# Altium PCB 通用工装板.PcbDoc (part 8 of 10) (continued)
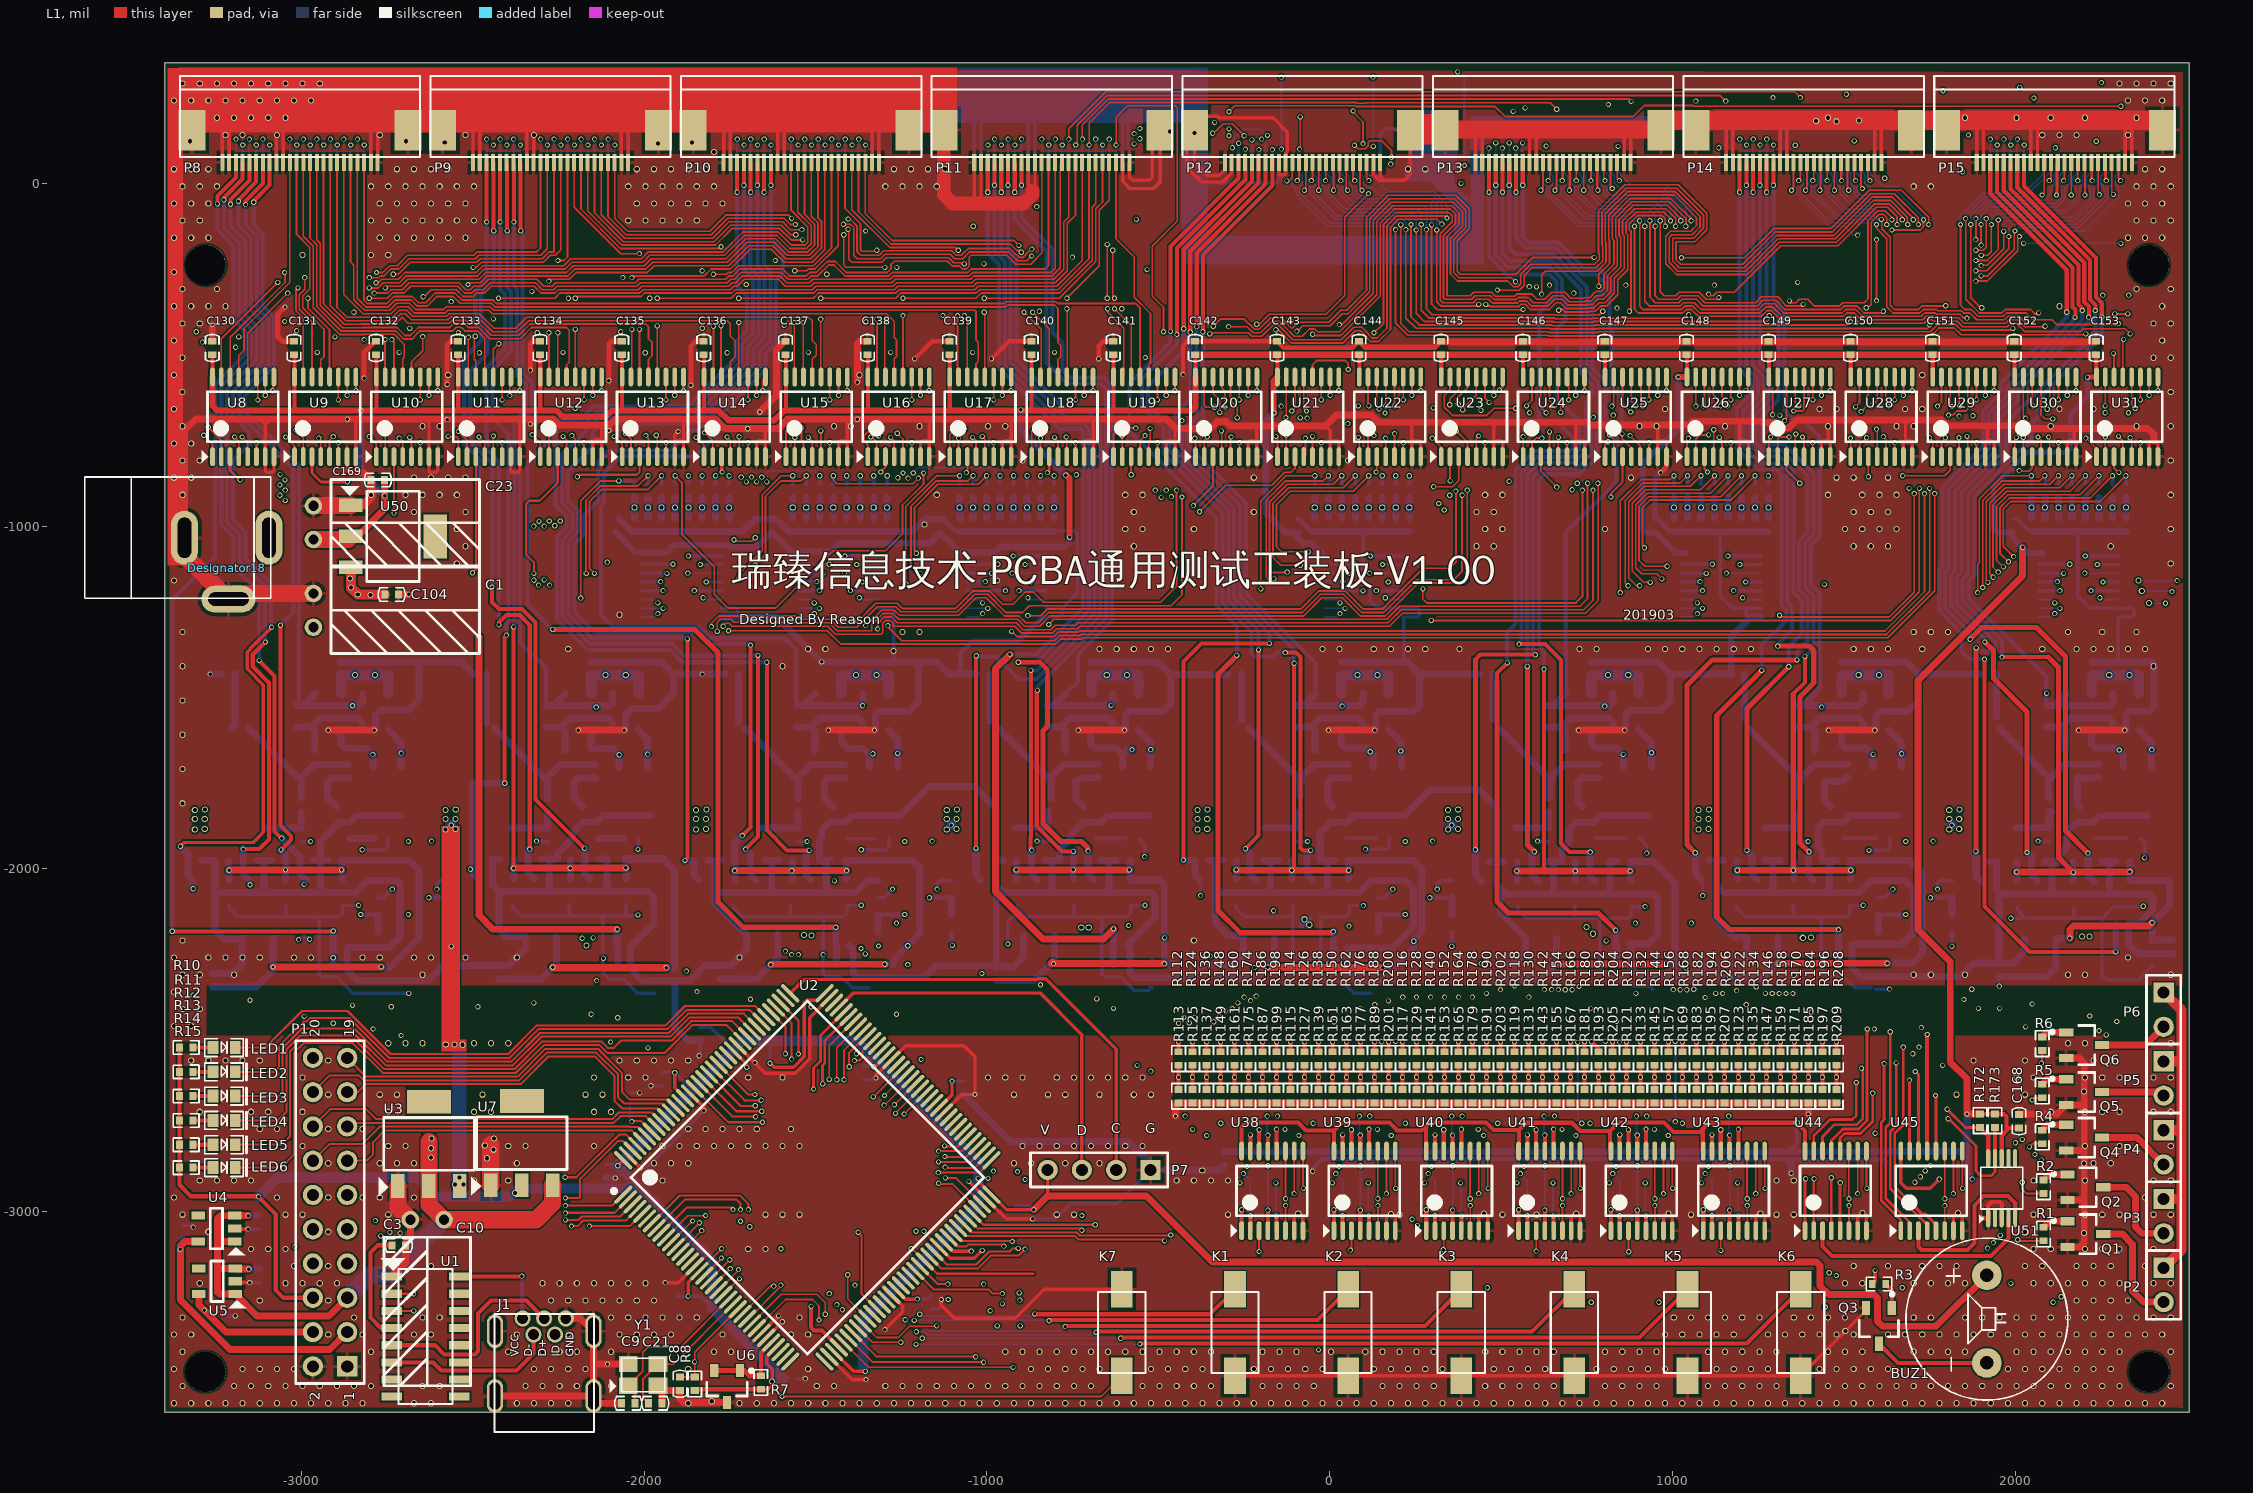
[diagram p0: L1 view]
## Nets (pads, with @x,y where several pads share a name; then routed paths per layer and width w, separated by ;. In a path a pad name is that pad's centre, name@x,y a point inside that pad or via, vN(x,y) a via of type N, cw(c..) or ccw(c..) an arc to the next point about the centre after c; other vN are vias at no path point) (continued)
  L4 w10: U84.3@-3210.99,-2106.65 -3210.99,-2114.91 -3185.84,-2140.06 -2948,-2140.06 ; -3045.64,-2139.86 U76.3@-3045.64,-2106.65 ; v1(-2833,-2106) -2833.65,-2106.65 U68.3@-2880.28,-2106.65 -2880.28,-2130.5 -2889.84,-2140.06 -2948,-2140.06 ; v1(-2823,-1944) -2757,-1944 -2748.39,-1935.39 R234.2@-2748.39,-1911.77 ; v1(-2687,-2363) -2687.44,-2362.56 U60.3@-2801.54,-2362.56 -2850.35,-2362.56 -2898.84,-2314.06 -2940.84,-2314.06 -2948,-2306.91 -2948,-2140.06
POWER_EN1: R235.2 U2.99 U61.3 U69.3 U77.3 U85.3 | length 2414.3
  L1 w6: v1(-1402,-2577) -1403,-2576 -1403,-2538 -1352.95,-2487.95 U2.99@-1348.6,-2487.95
  L2 w6: v1(-1402,-2577) -1399.5,-2574.5 -1380.58,-2574.5 -1316.5,-2510.42 v1(-1316.5,-2224.91)
  L2 w10: v1(-2018,-2134) v1(-2018,-1943)
  L3 w6: v1(-2119,-2261) -1962.28,-2261 -1950.78,-2249.5 -1848.83,-2249.5 -1821.83,-2276.5 -1686.06,-2276.5 -1661.56,-2252 -1615.44,-2252 -1601.94,-2265.5 -1387.06,-2265.5 -1383,-2261.44 -1383,-2225.8 -1373.92,-2216.72 -1329.28,-2216.72 -1321.09,-2224.91 v1(-1316.5,-2224.91)
  L4 w10: U85.3@-2384.22,-2102.72 -2384.22,-2110.98 -2359.07,-2136.13 -2121,-2136.13 ; -2218.87,-2135.92 U77.3@-2218.87,-2102.72 ; v1(-2119,-2261) v1@-2121,-2261 ; U69.3@-2053.51,-2102.72 -2053.51,-2126.57 -2063.07,-2136.13 ; v1(-2018,-2134) -2020.13,-2136.13 -2063.07,-2136.13 ; v1(-2018,-1943) -2017.8,-1942.8 R235.2@-2017.8,-1911.77 ; U61.3@-1970.83,-2362.56 -2019.64,-2362.56 -2060.2,-2322 -2102.2,-2322 -2121,-2303.2 v1@-2121,-2261 ; v1@-2121,-2261 -2121,-2136.13 ; -2121,-2136.13 -2063.07,-2136.13
POWER_EN2: R236.2 U2.111 U62.3 U70.3 U78.3 U86.3 | length 1827.8
  L1 w6: U2.111@-1601.93,-2390.51 -1550,-2442.44 v1(-1550,-2540)
  L2 w6: v1(-1550,-2540) v1(-1550,-2250) -1550,-2508
  L2 w10: v1(-1367,-2106) v1(-1367,-1944)
  L3 w6: v1(-1550,-2250) v1(-1478,-2250)
  L4 w10: U86.3@-1738.55,-2106.65 -1738.55,-2114.91 -1713.4,-2140.06 -1478,-2140.06 ; -1573.2,-2139.86 U78.3@-1573.2,-2106.65 ; v1(-1367,-2106) -1367.65,-2106.65 U70.3@-1407.84,-2106.65 -1407.84,-2130.5 -1417.4,-2140.06 -1478,-2140.06 ; v1(-1367,-1944) -1294,-1944 -1287,-1937 -1287,-1911.97 R236.2@-1287.2,-1911.77 ; U62.3@-1344.85,-2346.81 -1393.65,-2346.81 -1426.4,-2314.06 -1468.4,-2314.06 -1478,-2304.46 v1(-1478,-2250) -1478,-2140.06
POWER_EN3: R237.2 U2.112 U63.3 U71.3 U79.3 U87.3 | length 2265.3
  L1 w6: U2.112@-1615.85,-2404.43 -1570,-2450.28 v1(-1570,-2555)
  L2 w6: v1(-1570,-2555) v1(-1570,-2250)
  L2 w10: v1(-540,-1964) -540,-2105 v1(-539,-2106)
  L3 w6: v1(-1570,-2250) -1570,-2241 -1560,-2231 -1403.76,-2231 -1378.48,-2205.72 -1215.28,-2205.72 -1177.5,-2243.5 -1068.76,-2243.5 -1044.26,-2219 v1(-939,-2219)
  L4 w10: v1(-939,-2219) -939,-2153 -926.06,-2140.06 -886.63,-2140.06 ; U87.3@-911.78,-2106.65 -911.78,-2114.91 -886.63,-2140.06 ; -746.43,-2139.86 U79.3@-746.43,-2106.65 ; R237.2@-556.61,-1911.77 -540,-1928.38 v1(-540,-1964) ; v1(-539,-2106) -539.65,-2106.65 U71.3@-581.07,-2106.65 -581.07,-2130.5 -590.63,-2140.06 -664.63,-2140.06 ; U63.3@-525.95,-2354.69 -570.32,-2354.69 -610.94,-2314.06 -655.94,-2314.06 -664.63,-2305.37 -664.63,-2140.06 ; U63.3@-525.95,-2346.81 U63.3@-518.08,-2346.81 ; -886.63,-2140.06 -664.63,-2140.06
POWER_EN4: R238.2 U2.113 U64.3 U72.3 U80.3 U88.3 | length 3121.3
  L1 w6: U2.113@-1629.77,-2418.35 -1588.1,-2460.02 v1(-1588.1,-2539.1)
  L2 w6: v1(-1588.1,-2539.1) v1(-1588.1,-2239.81)
  L2 w10: v1(98,-2107) 104,-2101 v1(104,-1942)
  L3 w6: v1(-1588.1,-2239.81) -1588,-2239.72 -1588,-2233 -1575,-2220 -1408.32,-2220 -1383.03,-2194.72 -1210.73,-2194.72 -1197.94,-2207.5 -1051.5,-2207.5 -1047.5,-2203.5 -887.78,-2203.5 -877.28,-2193 -617,-2193 -608,-2184 -608,-2159 -594.5,-2145.5 -510.65,-2145.5 -487.15,-2122 v1(-164,-2122)
  L4 w10: U88.3@-273.98,-2106.65 -273.98,-2114.91 -248.83,-2140.06 -164,-2140.06 ; v1(-164,-2122) -164,-2140.06 ; U80.3@-108.63,-2106.65 -108.63,-2140.06 ; v1(98,-2107) 97.65,-2106.65 U72.3@56.72,-2106.65 56.72,-2130.5 47.17,-2140.06 -26.83,-2140.06 -26.83,-2262 ; v1(104,-1942) 167,-1942 173.99,-1935.01 R238.2@173.99,-1911.77 ; U64.3@119.72,-2362.56 70.56,-2362.56 35,-2327 -10,-2327 -26.83,-2310.17 -26.83,-2262 ; -164,-2140.06 -108.63,-2140.06 ; -108.63,-2140.06 -108.63,-2241.37 -88,-2262 -26.83,-2262
POWER_EN5: R239.2 U2.7 U65.3 U73.3 U81.3 U89.3 | length 6820.4
  L1 w6: U2.7@-1977.76,-3033.59 -1897.17,-2953 -1720,-2953 -1696,-2977 v1(-1696,-2994)
  L2 w6: v1(-1696,-2994) -1692,-2998 v1(-1692,-3044) ; v1(1850,-2381) 1850,-2406.56 1919,-2475.56 v1(1919,-3106)
  L2 w10: v1(920,-2110) 925,-2105 v1(925,-1954)
  L3 w6: v1(-1692,-3044) -1687,-3049 -1386.92,-3049 -1379.42,-3041.5 -932.5,-3041.5 -873.5,-3100.5 -445,-3100.5 -440,-3095.5 1908.5,-3095.5 v1(1919,-3106) ; v1(920,-2110) 1030,-2110 1163.51,-2243.51 1248.49,-2243.51 1348.98,-2344 1414.15,-2344 1442.15,-2372 1515.78,-2372 1524.78,-2381 v1(1850,-2381)
  L4 w10: U89.3@548.85,-2110.59 548.85,-2118.85 574,-2144 788,-2144 ; 714.2,-2143.8 U81.3@714.2,-2110.59 ; R239.2@904.59,-1911.77 925,-1932.18 v1(925,-1954) ; v1(920,-2110) 919.41,-2110.59 U73.3@879.56,-2110.59 879.56,-2134.44 870,-2144 788,-2144 ; U65.3@942.55,-2350.75 934.8,-2343 886,-2343 861,-2318 819,-2318 788,-2287 788,-2144
POWER_EN6: R240.2 U2.8 U66.3 U74.3 U82.3 U90.3 | length 6128.6
  L1 w6: U2.8@-1963.84,-3047.51 -1880.33,-2964 -1732,-2964 -1719,-2977 v1(-1719,-2994)
  L2 w6: v1(-1719,-3028) v1(-1719,-2994) ; v1(1873,-2351) 1873,-2414 1936,-2477 v1(1936,-3090)
  L2 w10: v1(1556,-2106) 1573,-2089 v1(1573,-1946)
  L3 w6: v1(-1719,-3028) -1681,-3028 -1671,-3038 -1391.48,-3038 -1383.98,-3030.5 -927.94,-3030.5 -868.94,-3089.5 -508.42,-3089.5 -471.42,-3052.5 -447,-3052.5 -415,-3084.5 1930.5,-3084.5 v1(1936,-3090) ; v1(1633.25,-2350.75) 1758.75,-2350.75 1759,-2351 v1(1873,-2351)
  L4 w10: U90.3@1186.65,-2106.65 1186.65,-2114.91 1211.8,-2140.06 1433.8,-2140.06 ; 1352,-2139.86 U82.3@1352,-2106.65 ; v1(1556,-2106) 1555.35,-2106.65 U74.3@1517.35,-2106.65 1517.35,-2130.5 1507.8,-2140.06 1433.8,-2140.06 ; v1(1573,-1946) 1628,-1946 1635.18,-1938.82 R240.2@1635.18,-1911.77 ; U66.3@1580.35,-2346.81 1531.54,-2346.81 1498.8,-2314.06 1456.8,-2314.06 1433.8,-2291.06 1433.8,-2140.06 ; U66.3@1592.16,-2350.75 v1(1633.25,-2350.75)
POWER_EN7: R241.2 U2.9 U67.3 U75.3 U83.3 U91.3 | length 5963.6
  L1 w6: U2.9@-1949.92,-3061.43 -1876.49,-2988 -1743,-2988 -1741,-2990 v1(-1741,-2994)
  L2 w6: v1(1956,-3069) 1956,-2529 1974.5,-2510.5 1974.5,-2451.65 1987,-2439.15 v1(1987,-2144)
  L2 w10: v1(2373,-2109) 2372,-2109 2377,-2104 v1(2377,-1968)
  L3 w6: v1(-1741,-2994) -1725,-3010 -1681,-3010 -1664,-3027 -1562,-3027 -1396.03,-3027 -1388.53,-3019.5 -923.39,-3019.5 -864.39,-3078.5 -512.98,-3078.5 -475.98,-3041.5 -442.44,-3041.5 -414.94,-3069 v1(1956,-3069)
  L4 w10: v1(1987,-2144) 2030.69,-2144 ; U91.3@2005.54,-2110.59 2005.54,-2118.85 2030.69,-2144 ; 2170.9,-2143.8 U83.3@2170.9,-2110.59 ; R241.2@2365.78,-1911.77 2377,-1922.99 v1(2377,-1968) ; v1(2373,-2109) 2371.41,-2110.59 U75.3@2336.25,-2110.59 2286.1,-2110.59 2252.69,-2144 ; U67.3@2399.24,-2283.82 2359.06,-2324 2268,-2324 2252.69,-2308.69 2252.69,-2144 ; 2030.69,-2144 2252.69,-2144
S1V8: U2.18 U38.3 | length 1714.6
  L1 w5: U2.18@-1824.64,-3186.7 -1775,-3137.06 v1(-1775,-3135) ; U38.3@-206.17,-3055.47 -206.17,-3115.83 v1(-206,-3116)
  L3 w5: v1(-1775,-3135) -1765,-3135 -1765,-3133.79 -1756.21,-3125 -1743.79,-3125 -1738.79,-3130 -220,-3130 v1(-206,-3116)
S1V8_0: R112.2 R113.1 U38.13 | length 533.5
  L1 w12: R113.1@-441,-2642.96 v1(-441,-2607.82) R112.2@-441,-2572.69 ; U38.13@-180.58,-2823.19 v1(-180.58,-2776.58)
  L2 w5: v1(-441,-2607.82) -422,-2626.82 v1(-422,-2721)
  L3 w5: v1(-422,-2721) v1(-183,-2721)
  L4 w5: v1(-183,-2721) -183,-2774.17 v1(-180.58,-2776.58)
S1V8_1: R124.2 R125.1 U38.14 | length 477.9
  L1 w12: R125.1@-400.17,-2642.96 v1(-400.17,-2607.82) R124.2@-400.17,-2572.69 ; U38.14@-206.17,-2823.19 v1(-206.17,-2760.83)
  L2 w5: v1(-400.17,-2607.82) -400.17,-2759.83 v1(-400,-2760)
  L3 w5: v1(-400,-2760) v1@-207,-2760
S1V8_2: R136.2 R137.1 U38.15 | length 415.9
  L1 w12: R137.1@-359.34,-2642.96 v1(-359.34,-2607.82) R136.2@-359.34,-2572.69 ; U38.15@-231.77,-2823.19 v1(-231.77,-2775.77)
  L2 w5: v1(-359.34,-2777.66) v1(-359.34,-2607.82)
  L3 w5: v1(-359.34,-2777.66) -233.66,-2777.66 v1(-231.77,-2775.77)
S1V8_3: R148.2 R149.1 U38.12 | length 438.9
  L1 w12: R149.1@-318.51,-2642.96 v1(-318.51,-2607.82) R148.2@-318.51,-2572.69 ; U38.12@-154.99,-2823.19 v1(-154.99,-2759.01)
  L2 w5: v1(-318.51,-2607.82) -318.51,-2741.49 v1(-318,-2742)
  L3 w5: v1(-318,-2742) -172,-2742 v1(-154.99,-2759.01)
S1V8_4: R160.2 R161.1 U38.1 | length 526.3
  L1 w12: R161.1@-277.68,-2642.96 v1(-277.68,-2607.82) R160.2@-277.68,-2572.69 ; U38.1@-257.36,-3055.47 v1(-257.36,-2994.36)
  L2 w5: v1(-277.68,-2607.82) -277.68,-2974.03 v1(-257.36,-2994.36)
S1V8_5: R174.2 R175.1 U38.5 | length 636
  L1 w12: R175.1@-236.85,-2642.96 v1(-236.85,-2607.82) R174.2@-236.85,-2572.69 ; U38.5@-154.99,-3055.47 v1(-154.99,-3012.01)
  L2 w5: v1(-262,-2916) -267.68,-2910.32 -267.68,-2638.65 v1(-236.85,-2607.82)
  L3 w5: v1(-262,-2916) v1(-157,-2916)
  L4 w5: v1@-157,-3010 v1(-157,-2916)
S1V8_6: R186.2 R187.1 U38.2 | length 554.2
  L1 w12: U38.2@-231.77,-3055.47 v1(-231.77,-3011.77) ; R187.1@-196.02,-2642.96 v1(-196.02,-2607.82) R186.2@-196.02,-2572.69
  L2 w5: v1(-252,-2889) -257.68,-2883.32 -257.68,-2669.48 v1(-196.02,-2607.82)
  L4 w5: v1(-252,-2889) -231.77,-2909.23 v1(-231.77,-3011.77)
S1V8_7: R198.2 R199.1 U38.4 | length 627
  L1 w12: U38.4@-180.58,-3055.47 v1(-180.58,-2995.42) ; R199.1@-155.19,-2642.96 v1(-155.19,-2607.82) R198.2@-155.19,-2572.69
  L2 w5: v1(-242,-2868) -247.68,-2868 -247.68,-2700.31 v1(-155.19,-2607.82)
  L3 w5: v1(-242,-2868) -182,-2868 v1(-180,-2866)
  L4 w5: v1(-180.58,-2995.42) -180,-2994.83 v1(-180,-2866)
S2V5: U2.19 U39.3 | length 1965.3
  L1 w5: U2.19@-1810.72,-3200.62 -1750.1,-3140 v1(-1750,-3140) ; v1(60,-3112) 63.2,-3108.8 U39.3@63.2,-3055.47
  L3 w5: v1(-1750,-3140) 32,-3140 v1(60,-3112)
S2V5_0: R114.2 R115.1 U39.13 | length 541.5
  L1 w12: R115.1@-114.36,-2642.96 v1(-114.36,-2607.82) R114.2@-114.36,-2572.69 ; U39.13@88.79,-2823.19 v1(88.79,-2776.58)
  L2 w5: v1(-152.63,-2721) -152.63,-2646.09 v1(-114.36,-2607.82)
  L3 w5: v1(-152.63,-2721) v1(86.37,-2721)
  L4 w5: v1(86.37,-2721) 86.37,-2774.17 v1(88.79,-2776.58)
S2V5_1: R126.2 R127.1 U39.14 | length 501.7
  L1 w12: R127.1@-73.53,-2642.96 v1(-73.53,-2607.82) R126.2@-73.53,-2572.69 ; U39.14@63.2,-2823.19 v1(63.2,-2760.83)
  L2 w5: v1@-130.8,-2759.83 v1(-130.63,-2760) -130.63,-2664.92 v1(-73.53,-2607.82)
  L3 w5: v1(-130.63,-2760) v1@62.37,-2760
S2V5_2: R138.2 R139.1 U39.15 | length 439.6
  L1 w12: R139.1@-32.7,-2642.96 v1(-32.7,-2607.82) R138.2@-32.7,-2572.69 ; U39.15@37.61,-2823.19 v1(37.61,-2775.77)
  L2 w5: v1(-89.97,-2777.66) -89.97,-2665.09 v1(-32.7,-2607.82)
  L3 w5: v1(-89.97,-2777.66) 35.71,-2777.66 v1(37.61,-2775.77)
S2V5_3: R150.2 R151.1 U39.12 | length 462.9
  L1 w12: R151.1@8.13,-2642.96 v1(8.13,-2607.82) R150.2@8.13,-2572.69 ; U39.12@114.38,-2823.19 v1(114.38,-2759.01)
  L2 w5: v1@-49.14,-2741.49 v1(-48.63,-2742) -48.63,-2664.58 v1(8.13,-2607.82)
  L3 w5: v1(-48.63,-2742) 97.37,-2742 v1(114.38,-2759.01)
S2V5_4: R162.2 R163.1 U39.1 | length 562.2
  L1 w12: U39.1@12.02,-3055.47 v1(12.02,-2994.36) ; R163.1@48.96,-2642.96 v1(48.96,-2607.82) R162.2@48.96,-2572.69
  L2 w5: v1(12.02,-2994.36) -23,-2959.34 -23,-2679.78 v1(48.96,-2607.82)
S2V5_5: R176.2 R177.1 U39.5 | length 671.9
  L1 w12: R177.1@89.79,-2642.96 v1(89.79,-2607.82) R176.2@89.79,-2572.69 ; U39.5@114.38,-3055.47 v1(114.38,-3012.01)
  L2 w5: v1(7.37,-2916) -13,-2895.63 -13,-2710.61 v1(89.79,-2607.82)
  L3 w5: v1(7.37,-2916) v1(112.37,-2916)
  L4 w5: v1@112.37,-3010 v1(112.37,-2916)
S2V5_6: R188.2 R189.1 U39.2 | length 590.1
  L1 w12: U39.2@37.61,-3055.47 v1(37.61,-3011.77) ; R189.1@130.62,-2642.96 v1(130.62,-2607.82) R188.2@130.62,-2572.69
  L2 w5: v1(17.37,-2889) -3,-2868.63 -3,-2741.44 v1(130.62,-2607.82)
  L4 w5: v1(17.37,-2889) 37.61,-2909.23 v1(37.61,-3011.77)
S2V5_7: R200.2 R201.1 U39.4 | length 680.9
  L1 w12: U39.4@88.79,-3055.47 v1(88.79,-2995.42) ; R201.1@171.45,-2642.96 v1(171.45,-2607.82) R200.2@171.45,-2572.69
  L2 w5: v1@21.69,-2868 v1(27.37,-2868) 7,-2847.63 7,-2745.58 120.58,-2632 147.27,-2632 v1(171.45,-2607.82)
  L3 w5: v1(27.37,-2868) 87.37,-2868 v1(89.37,-2866)
  L4 w5: v1(88.79,-2995.42) 89.37,-2994.83 v1(89.37,-2866)
S3V0: U2.20 U40.3 | length 2227.6
  L1 w5: U2.20@-1796.81,-3214.54 -1749,-3166.73 v1(-1749,-3166) ; v1(331,-3111) 332.57,-3109.43 U40.3@332.57,-3055.47
  L3 w5: v1(-1749,-3166) -1737,-3154 289,-3154 v1@331.5,-3111.5
S3V0_0: R116.2 R117.1 U40.13 | length 565.2
  L1 w12: R117.1@212.28,-2642.96 v1(212.28,-2607.82) R116.2@212.28,-2572.69 ; U40.13@358.16,-2823.19 v1(358.16,-2776.58)
  L2 w5: v1(116.75,-2721) 212.28,-2625.47 v1(212.28,-2607.82)
  L3 w5: v1(116.75,-2721) v1(355.75,-2721)
  L4 w5: v1(355.75,-2721) 355.75,-2774.17 v1(358.16,-2776.58)
S3V0_1: R128.2 R129.1 U40.14 | length 525.4
  L1 w12: R129.1@253.1,-2642.96 v1(253.1,-2607.82) R128.2@253.1,-2572.69 ; U40.14@332.57,-2823.19 v1(332.57,-2760.83)
  L2 w5: v1@138.58,-2759.83 v1(138.75,-2760) 138.75,-2722.18 v1(253.1,-2607.82)
  L3 w5: v1(138.75,-2760) v1@331.75,-2760
S3V0_2: R140.2 R141.1 U40.15 | length 472.6
  L1 w12: R141.1@293.93,-2642.96 v1(293.93,-2607.82) R140.2@293.93,-2572.69 ; U40.15@306.98,-2823.19 v1(306.98,-2775.77)
  L2 w5: v1(179.41,-2777.66) 179.41,-2706.59 278.18,-2607.82 v1(293.93,-2607.82)
  L3 w5: v1(179.41,-2777.66) 305.09,-2777.66 v1(306.98,-2775.77)
S3V0_3: R152.2 R153.1 U40.12 | length 505.7
  L1 w12: R153.1@334.76,-2642.96 v1(334.76,-2607.82) R152.2@334.76,-2572.69 ; U40.12@383.75,-2823.19 v1(383.75,-2759.01)
  L2 w5: v1@220.24,-2741.49 v1(220.75,-2742) 220.75,-2689.25 287.18,-2622.82 319.76,-2622.82 v1(334.76,-2607.82)
  L3 w5: v1(220.75,-2742) 366.75,-2742 v1(383.75,-2759.01)
S3V0_4: R164.2 R165.1 U40.1 | length 591.4
  L1 w12: U40.1@281.39,-3055.47 v1(281.39,-2994.36) ; R165.1@375.59,-2642.96 v1(375.59,-2607.82) R164.2@375.59,-2572.69
  L2 w5: v1(281.39,-2994.36) 261.07,-2974.03 261.07,-2713.93 315,-2660 345,-2660 375.59,-2629.41 v1(375.59,-2607.82)
S3V0_5: R178.2 R179.1 U40.5 | length 703.4
  L1 w12: U40.5@383.75,-3055.47 v1(383.75,-3012.01) ; R179.1@416.42,-2642.96 v1(416.42,-2607.82) R178.2@416.42,-2572.69
  L2 w5: v1(276.75,-2916) 271.07,-2910.32 271.07,-2732.93 332,-2672 366,-2672 416.42,-2621.58 v1(416.42,-2607.82)
  L3 w5: v1(276.75,-2916) v1(381.75,-2916)
  L4 w5: v1@381.75,-3010 v1(381.75,-2916)
S3V0_6: R190.2 R191.1 U40.2 | length 625.1
  L1 w12: U40.2@306.98,-3055.47 v1(306.98,-3011.77) ; R191.1@457.25,-2642.96 v1(457.25,-2607.82) R190.2@457.25,-2572.69
  L2 w5: v1(286.75,-2889) 281.07,-2883.32 281.07,-2743.93 339.92,-2685.08 380,-2685.08 v1(457.25,-2607.82)
  L4 w5: v1(286.75,-2889) 306.98,-2909.23 v1(306.98,-3011.77)
S3V0_7: R202.2 R203.1 U40.4 | length 708.3
  L1 w12: U40.4@358.16,-3055.47 v1(358.16,-2995.42) ; R203.1@498.08,-2642.96 v1(498.08,-2607.82) R202.2@498.08,-2572.69
  L2 w5: v1@291.07,-2868 v1(296.75,-2868) 291.07,-2862.32 291.07,-2761 350.07,-2702 384.29,-2702 478.47,-2607.82 v1(498.08,-2607.82)
  L3 w5: v1(296.75,-2868) 356.75,-2868 v1(358.75,-2866)
  L4 w5: v1(358.16,-2995.42) 358.75,-2994.83 v1(358.75,-2866)
S3V3: U2.21 U41.3 | length 2492.4
  L1 w5: U2.21@-1782.89,-3228.46 -1725,-3170.57 v1(-1725,-3169) ; U41.3@601.95,-3055.47 601.95,-3114.95 v1(602,-3115)
  L3 w5: v1(-1725,-3169) 548,-3169 v1(602,-3115)
S3V3_0: R118.2 R119.1 U41.13 | length 612.1
  L1 w12: R119.1@538.91,-2642.96 v1(538.91,-2607.82) R118.2@538.91,-2572.69 ; U41.13@627.54,-2823.19 v1(627.54,-2776.58)
  L2 w5: v1(386.12,-2721) 484.12,-2623 507,-2623 522.18,-2607.82 v1(538.91,-2607.82)
  L3 w5: v1(386.12,-2721) v1(625.12,-2721)
  L4 w5: v1(625.12,-2721) 625.12,-2774.17 v1(627.54,-2776.58)
S3V3_1: R130.2 R131.1 U41.14 | length 540
  L1 w12: R131.1@579.74,-2642.96 v1(579.74,-2607.82) R130.2@579.74,-2572.69 ; U41.14@601.95,-2823.19 v1(601.95,-2760.83)
  L2 w5: v1(433,-2760) 433,-2709.72 499.72,-2643 544.57,-2643 v1(579.74,-2607.82)
  L3 w5: v1(433,-2760) v1@601.12,-2760
S3V3_2: R142.2 R143.1 U41.15 | length 529
  L1 w12: U41.15@576.36,-2823.19 v1(576.36,-2775.77) ; R143.1@620.57,-2642.96 v1(620.57,-2607.82) R142.2@620.57,-2572.69
  L2 w5: v1(448.78,-2777.66) 448.78,-2708.08 503.86,-2653 575.4,-2653 v1(620.57,-2607.82)
  L3 w5: v1(448.78,-2777.66) 574.46,-2777.66 v1(576.36,-2775.77)
S3V3_3: R154.2 R155.1 U41.12 | length 567.9
  L1 w12: U41.12@653.13,-2823.19 v1(653.13,-2759.01) ; R155.1@661.4,-2642.96 v1(661.4,-2607.82) R154.2@661.4,-2572.69
  L2 w5: v1@489.61,-2741.49 v1(490.12,-2742) 490.12,-2680.88 508,-2663 606.22,-2663 v1(661.4,-2607.82)
  L3 w5: v1(490.12,-2742) 636.12,-2742 v1(653.13,-2759.01)
S3V3_4: R166.2 R167.1 U41.1 | length 682.3
  L1 w12: U41.1@550.77,-3055.47 v1(550.77,-2994.36) ; R167.1@702.23,-2642.96 v1(702.23,-2607.82) R166.2@702.23,-2572.69
  L2 w5: v1(550.77,-2994.36) 508,-2951.59 508,-2689 524,-2673 637.05,-2673 v1(702.23,-2607.82)
S3V3_5: R180.2 R181.1 U41.5 | length 807.7
  L1 w12: U41.5@653.13,-3055.47 v1(653.13,-3012.01) ; R181.1@743.06,-2642.96 v1(743.06,-2607.82) R180.2@743.06,-2572.69
  L2 w5: v1(546.12,-2916) 518,-2887.88 518,-2693.14 528.14,-2683 667.88,-2683 v1(743.06,-2607.82)
  L3 w5: v1(546.12,-2916) v1(651.12,-2916)
  L4 w5: v1@651.12,-3010 v1(651.12,-2916)
S3V3_6: R192.2 R193.1 U41.2 | length 741.4
  L1 w12: U41.2@576.36,-3055.47 v1(576.36,-3011.77) ; R193.1@783.89,-2642.96 v1(783.89,-2607.82) R192.2@783.89,-2572.69
  L2 w5: v1(556.12,-2889) 528,-2860.88 528,-2697.28 532.28,-2693 679.1,-2693 764.27,-2607.82 v1(783.89,-2607.82)
  L4 w5: v1(556.12,-2889) 576.36,-2909.23 v1(576.36,-3011.77)
S3V3_7: R204.2 R205.1 U41.4 | length 826.3
  L1 w12: U41.4@627.54,-3055.47 v1(627.54,-2995.42) ; R205.1@824.72,-2642.96 v1(824.72,-2607.82) R204.2@824.72,-2572.69
  L2 w5: v1(566.12,-2868) 563,-2868 538,-2843 538,-2705 540,-2703 683.24,-2703 754.24,-2632 800.54,-2632 v1(824.72,-2607.82)
  L3 w5: v1(566.12,-2868) 626.12,-2868 v1(628.12,-2866)
  L4 w5: v1(627.54,-2995.42) 628.12,-2994.83 v1(628.12,-2866)
S5V0: U2.46 U42.3 | length 2520.3
  L1 w5: v1@-1406,-3183 v1(-1406,-3184) -1406,-3254.58 U2.46@-1348.6,-3311.98 ; U42.3@871.32,-3055.47 871.32,-3116.32 v1(872,-3117)
  L3 w5: v1(-1406,-3184) 805,-3184 v1(872,-3117)
S5V0_0: R120.2 R121.1 U42.13 | length 669.4
  L1 w12: R121.1@865.55,-2642.96 v1(865.55,-2607.82) R120.2@865.55,-2572.69 ; U42.13@896.91,-2823.19 v1(896.91,-2776.58)
  L2 w5: v1(655.5,-2721) 679.38,-2721 758.38,-2642 804.69,-2642 821.69,-2625 848.37,-2625 v1(865.55,-2607.82)
  L3 w5: v1(655.5,-2721) v1(894.5,-2721)
  L4 w5: v1(894.5,-2721) 894.5,-2774.17 v1(896.91,-2776.58)
S5V0_1: R132.2 R133.1 U42.14 | length 631.3
  L1 w12: U42.14@871.32,-2823.19 v1(871.32,-2760.83) ; R133.1@906.38,-2642.96 v1(906.38,-2607.82) R132.2@906.38,-2572.69
  L2 w5: v1@677.33,-2759.83 v1(677.5,-2760) 696.26,-2741.24 696.26,-2718.26 762.52,-2652 808.83,-2652 825.83,-2635 852.52,-2635 864.52,-2623 891.2,-2623 v1(906.38,-2607.82)
  L3 w5: v1(677.5,-2760) v1@870.5,-2760
S5V0_2: R144.2 R145.1 U42.15 | length 584.8
  L1 w12: U42.15@845.73,-2823.19 v1(845.73,-2775.77) ; R145.1@947.21,-2642.96 v1(947.21,-2607.82) R144.2@947.21,-2572.69
  L2 w5: v1(718.16,-2777.66) 718.16,-2710.51 766.67,-2662 813,-2662 830,-2645 856.66,-2645 868.66,-2633 896,-2633 906,-2623 932.03,-2623 v1(947.21,-2607.82)
  L3 w5: v1(718.16,-2777.66) 843.84,-2777.66 v1(845.73,-2775.77)
S5V0_3: R156.2 R157.1 U42.12 | length 623.7
  L1 w12: U42.12@922.5,-2823.19 v1(922.5,-2759.01) ; R157.1@988.04,-2642.96 v1(988.04,-2607.82) R156.2@988.04,-2572.69
  L2 w5: v1@758.99,-2741.49 v1(759.5,-2742) 759.5,-2683.31 770.81,-2672 817.14,-2672 834.14,-2655 860.8,-2655 872.8,-2643 900.14,-2643 910.14,-2633 936.17,-2633 946.35,-2622.82 972.18,-2622.82 987.18,-2607.82 v1(988.04,-2607.82)
  L3 w5: v1(759.5,-2742) 905.5,-2742 v1(922.5,-2759.01)
S5V0_4: R168.2 R169.1 U42.1 | length 744.1
  L1 w12: U42.1@820.14,-3055.47 v1(820.14,-2994.36) ; R169.1@1028.87,-2642.96 v1(1028.87,-2607.82) R168.2@1028.87,-2572.69
  L2 w5: v1(820.14,-2994.36) 775,-2949.21 775,-2687 780,-2682 821.28,-2682 838.28,-2665 864.94,-2665 876.94,-2653 904.28,-2653 914.28,-2643 940.32,-2643 950.49,-2632.82 976.32,-2632.82 986.14,-2623 1013.69,-2623 v1(1028.87,-2607.82)
S5V0_5: R182.2 R183.1 U42.5 | length 866.6
  L1 w12: U42.5@922.5,-3055.47 v1(922.5,-3012.01) ; R183.1@1069.7,-2642.96 v1(1069.7,-2607.82) R182.2@1069.7,-2572.69
  L2 w5: v1(815.5,-2916) 785,-2885.5 785,-2696 789,-2692 825.43,-2692 842.43,-2675 869.08,-2675 881.08,-2663 908.43,-2663 918.43,-2653 944.46,-2653 954.64,-2642.82 980.46,-2642.82 990.28,-2633 1024.91,-2633 1037.91,-2620 1057.52,-2620 v1(1069.7,-2607.82)
  L3 w5: v1(815.5,-2916) v1(920.5,-2916)
  L4 w5: v1@920.5,-3010 v1(920.5,-2916)
S5V0_6: R194.2 R195.1 U42.2 | length 794.6
  L1 w12: U42.2@845.73,-3055.47 v1(845.73,-3011.77) ; R195.1@1110.53,-2642.96 v1(1110.53,-2607.82) R194.2@1110.53,-2572.69
  L2 w5: v1(825.5,-2889) 795,-2858.5 795,-2710 803,-2702 829.57,-2702 846.57,-2685 873.23,-2685 885.23,-2673 912.57,-2673 922.57,-2663 948.6,-2663 958.78,-2652.82 984.6,-2652.82 994.43,-2643 1029.05,-2643 1042.05,-2630 1068.73,-2630 1077.73,-2621 1097.35,-2621 v1(1110.53,-2607.82)
  L4 w5: v1(825.5,-2889) 845.73,-2909.23 v1(845.73,-3011.77)
S5V0_7: R206.2 R207.1 U42.4 | length 880.2
  L1 w12: U42.4@896.91,-3055.47 v1(896.91,-2995.42) ; R207.1@1151.36,-2642.96 v1(1151.36,-2607.82) R206.2@1151.36,-2572.69
  L2 w5: v1@829.82,-2868 v1(835.5,-2868) 805,-2837.5 805,-2723 816,-2712 833.71,-2712 850.71,-2695 877.37,-2695 889.37,-2683 916.71,-2683 926.71,-2673 952.74,-2673 962.92,-2662.82 988.75,-2662.82 998.57,-2653 1033.19,-2653 1046.19,-2640 1072.88,-2640 1081.88,-2631 1101.49,-2631 1109.67,-2622.82 1136.36,-2622.82 v1(1151.36,-2607.82)
  L3 w5: v1(835.5,-2868) 895.5,-2868 v1(897.5,-2866)
  L4 w5: v1(896.91,-2995.42) 897.5,-2994.83 v1(897.5,-2866)
SPDT_EN: U2.13 U8.6 U9.6 U10.6 U11.6 U12.6 U13.6 U14.6 U15.6 U16.6 U17.6 U18.6 U19.6 U20.6 U21.6 U22.6 U23.6 U24.6 U25.6 U26.6 U27.6 U28.6 U29.6 U30.6 U31.6 U32.6 U33.6 U34.6 U35.6 U36.6 U37.6 U38.6 U39.6 U40.6 U41.6 U42.6 U43.6 U44.6 U45.6 | length 18282.4
  L1 w5: U8.6@-3131.27,-797.27 v1(-3131.27,-756.27) ; U9.6@-2892.31,-797.27 v1(-2892.31,-756.27) ; U10.6@-2653.35,-797.27 v1(-2653.35,-756.27) ; U11.6@-2414.39,-797.27 v1(-2414.39,-756.27) ; U12.6@-2175.43,-797.27 v1(-2175.43,-756.27) ; U13.6@-1936.47,-797.27 v1(-1936.47,-756.27) ; U2.13@-1894.24,-3117.1 -1832.14,-3055 v1(-1832,-3055) ; U14.6@-1697.51,-797.27 v1(-1697.51,-756.27) ; U15.6@-1458.55,-797.27 v1(-1458.55,-756.27) ; U16.6@-1219.59,-797.27 v1(-1219.59,-756.27) ; U17.6@-980.63,-797.27 v1(-980.63,-756.27) ; U18.6@-741.68,-797.27 v1(-741.68,-756.27) ; U19.6@-502.72,-797.27 v1(-502.72,-756.27) ; U20.6@-263.76,-797.27 v1(-263.76,-756.27) ; U38.6@-129.4,-3055.47 -129,-3055.07 v1(-129,-2982) ; U21.6@-24.8,-797.27 v1(-24.8,-756.27) ; U39.6@140.37,-3055.07 v1(140.37,-2982) ; U22.6@214.16,-797.27 v1(214.16,-756.27) ; U40.6@409.75,-3055.07 v1(409.75,-2982) ; U23.6@453.12,-797.27 v1(453.12,-756.27) ; U41.6@679.12,-3055.07 v1(679.12,-2982) ; U24.6@692.08,-797.27 v1(692.08,-756.27) ; U25.6@931.04,-797.27 v1(931.04,-756.27) ; U42.6@948.5,-3055.07 v1(948.5,-2982) ; U26.6@1170,-797.27 v1(1170,-756.27) ; U43.6@1217.87,-3055.07 v1(1217.87,-2982) ; U27.6@1408.96,-797.27 v1(1408.96,-756.27) ; U44.6@1514.8,-3055.07 v1(1514.8,-2982) ; U28.6@1647.92,-797.27 v1(1647.92,-756.27) ; U45.6@1794.33,-3055.07 v1(1794.33,-2982) ; U29.6@1886.88,-797.27 v1(1886.88,-756.27) ; U30.6@2125.83,-797.27 v1(2125.83,-756.27) ; U31.6@2364.79,-797.27 v1(2364.79,-756.27)
  L3 w5: v1(-3131.27,-756.27) -3129.54,-758 797,-758 797,-760.21 805.79,-769 818.21,-769 827,-760.21 827,-758 v1@2364.79,-758 ; v1(-1832,-3055) -1756,-2979 v1@137.37,-2979 ; v1(-1828,-1209) v1(-1372.09,-1209) -1367.09,-1214 -1082.86,-1214 -1077.86,-1209 v1(-880.76,-1209) -876.76,-1213 -220.5,-1213 -215.5,-1218 -186.5,-1218 -177.5,-1209 v1(161.76,-1209) 826.92,-1209 836.92,-1219 1045,-1219 1055,-1209 v1(1204.28,-1209) v1(2246.8,-1209) 2309,-1209 v2(2359,-1159) 2364.79,-1153.21 v1@2364.79,-758 ; v1@143.37,-2979 v1@406.75,-2979 ; v1@412.75,-2979 v1@676.12,-2979 ; v1@682.12,-2979 v1@945.5,-2979 ; v1@951.5,-2979 v1@1214.87,-2979 ; v1@1220.87,-2979 1511.8,-2979 v1(1514.8,-2982) ; v1@1517.8,-2979 1791.33,-2979 v1(1794.33,-2982) ; v1@1797.33,-2979 2323.14,-2979 2371,-2931.14 2371,-2324.43 2458,-2237.43 2458,-1272.14 2472,-1258.14 v1(2472,-1159) ; v1(2364.79,-756.27) v1@2364.79,-758
  L4 w5: v1(-1828,-1209) -1823.06,-1213.94 U32.6@-1773.98,-1213.94 ; v1(-1372.09,-1209) -1367.16,-1213.94 U33.6@-1318.08,-1213.94 ; v1(-880.76,-1209) -875.82,-1213.94 U34.6@-826.74,-1213.94 ; v1(161.76,-1209) 166.7,-1213.94 U35.6@215.78,-1213.94 ; v1(1204.28,-1209) 1209.22,-1213.94 U36.6@1258.3,-1213.94 ; v1(2246.8,-1209) 2251.74,-1213.94 U37.6@2300.82,-1213.94 ; v2(2359,-1159) v1(2472,-1159)
SPI1_CS: U2.100 U29.3 | length 6647
  L1 w5: v1(-1417,-2615) -1417,-2528.51 U2.100@-1362.52,-2474.03 ; v1(1671,-853) 1794,-853 1810.1,-836.9 U29.3@1810.1,-797.27
  L2 w5: v1(-1422,-3286) -1422,-2622 -1417,-2617 v1(-1417,-2615) ; v1(-903,-3333) v1@-903,-3259 ; v1(1670,-3222) 1670,-2546 1688,-2528 1688,-2449 1733,-2404 1733,-1677 1671,-1615 v1(1671,-853)
  L3 w5: v1(-1422,-3286) -1420,-3284 -1026,-3284 -1004.5,-3305.5 -970.2,-3305.5 -959.2,-3316.5 -917.5,-3316.5 -903,-3331 v1(-903,-3333) ; v1(-904,-3258) -895,-3249 488.14,-3249 510.14,-3227 1665,-3227 v1(1670,-3222)
SPI1_MISO: U2.42 U26.3 | length 5439.1
  L1 w6: U2.42@-1404.28,-3367.65 -1332.93,-3439 v1(-1010,-3439) ; U26.3@1093.23,-797.27 1093.23,-832.23 1102,-841 v1(1102,-842)
  L2 w6: v1(-1010,-3439) -991,-3420 v1(-991,-3289) ; v1(891.5,-2158) 891.5,-1183.42 888.5,-1180.42 888.5,-1167.58 891.5,-1164.58 891.5,-937.5 935,-894 1073,-894 1102,-865 v1(1102,-842) ; v1(960,-3264) 960,-3261 1016,-3205 1016,-2771 1007.96,-2762.96 v1(1007.96,-2737.04) ; v1(1008.04,-2503) 1006,-2500.96 1006,-2496 1077.5,-2424.5 1077.5,-2340.5 1077,-2340 1077,-2180 v1(1055,-2158)
  L3 w6: v1(-991,-3289) -971.85,-3289 -954.85,-3306 -913.15,-3306 -903.15,-3316 -849,-3316 -823.5,-3290.5 747.35,-3290.5 757.85,-3280 942,-3280 959,-3263 v1(960,-3264) ; v1(891.5,-2158) v1(1055,-2158) ; v1@1008.04,-2505.04 v1(1008.04,-2503)
  L4 w6: v1(1007.96,-2737.04) 1008.04,-2737.04 v1(1008.04,-2503)
SPI1_MOSI: U2.43 U27.3 | length 5605.1
  L1 w6: U2.43@-1390.36,-3353.73 -1321.09,-3423 v1(-1033,-3423) ; U27.3@1332.19,-797.27 1332.19,-836.19 v1(1371,-875)
  L2 w6: v1(-1033,-3423) -1020,-3423 -1010,-3413 v1(-1010,-3211) ; v1(1371,-875) 1461,-965 1461,-1492.85 1491.5,-1523.35 1491.5,-1671.65 1461,-1702.15 1461,-2090 1463.5,-2092.5 1463.5,-2093.21 1514,-2143.71 1514,-2608.94 1510.5,-2612.44 1510.5,-2633.56 1514,-2637.06 1514,-2912.42 1457,-2969.42 v1(1457,-3178)
  L3 w6: v1(-1010,-3211) -1005.5,-3206.5 1061.35,-3206.5 1089.85,-3178 v1(1457,-3178)
  L4 w6: v1@-1011,-3210 v1(-1010,-3211)